# Altium PCB GameBoard_V1I1_Phase1.PcbDoc (part 18 of 18)
Units mm, origin at the board's own origin, x right, y up, seen from the top; angles counter-clockwise.
Board outline 182 x 70.2 mm, 12 copper layers (L1, L2, L3, L4, L5 (PWR), L6 (PWR), L7 (PWR), L8 (PWR), L9, L10, L11, L12), stack 2.079 mm thick; 1542 components, 1068 nets, 5447 pads, 3805 vias.
Unrouted connection lines stored in the file: 2.
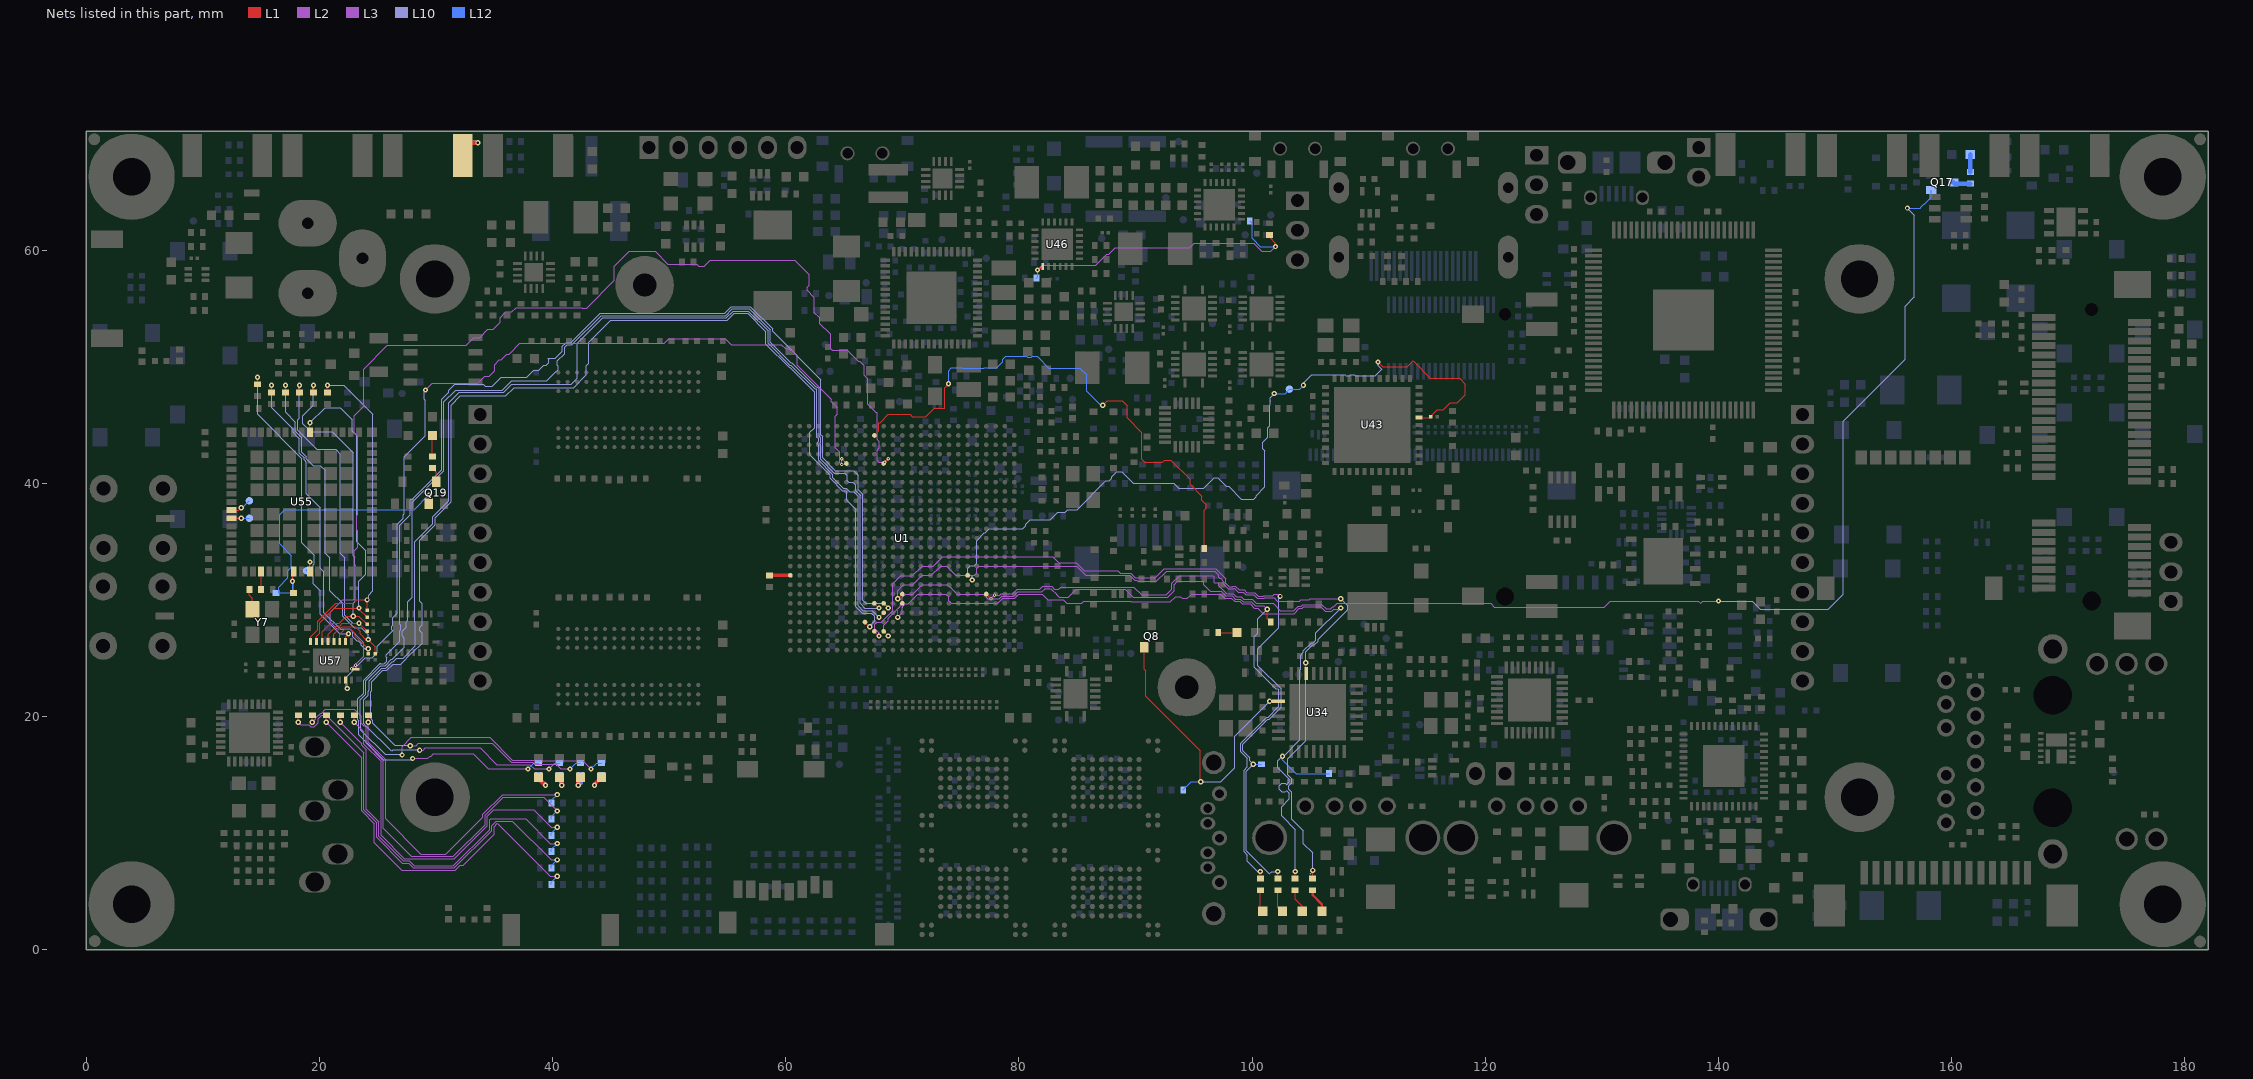
[diagram p28: the nets of this part, all layers, seen from the top]

## Via types
v1: diameter 0.45, hole 0.2, L1 to L12, 1937 vias
v2: diameter 0.45, hole 0.2, L1 to L12, tented both sides, 1004 vias
v3: diameter 0.27, hole 0.1, L1 to L2, 337 vias
v4: diameter 0.27, hole 0.1, L2 to L3, 335 vias
v5: diameter 0.27, hole 0.1, L10 to L11, 96 vias
v6: diameter 0.27, hole 0.1, L11 to L12, 94 vias
v7: diameter 0.27, hole 0.1, L3 to L5 (PWR), 2 vias

## Nets (pads, with @x,y where several pads share a name; then routed paths per layer and width w, separated by ;. In a path a pad name is that pad's centre, name@x,y a point inside that pad or via, vN(x,y) a via of type N, cw(c..) or ccw(c..) an arc to the next point about the centre after c; other vN are vias at no path point) (continued)
USER_BTN_3_R: R399.1 R401.2 SW12.2 | length 4.5
  L1 w0.4: SW12.2@32.3,68.1 32.3,69.2 v1(33.6,69.2)
  L12 w0.4: R401.2@32.8,67.9 R399.1@32.8,69.2 v1(33.6,69.2)
USER_LED: Q17.1 U1.D19 | length 118
  L1 w0.093: U1.D19@77.2,30.5 v3(77.6,30.1)
  L3 w0.1: v4(77.9,30.4) 78.341,30.4 78.466,30.525 79.486,30.525 79.861,30.9 81.797,30.9 82.065,31.168 82.802,31.168 82.845,31.125 82.853,31.125 83.046,30.932 83.402,30.932 83.57,31.1 89.85,31.1 90.525,30.425 92.625,30.425 93.126,30.926 93.126,31.407 93.802,32.083 96.626,32.083 96.744,31.966 96.744,31.487 96.775,31.455 97.145,31.455 97.146,31.454 97.146,31.205 97.805,30.546 98.375,30.546 98.653,30.268 99.083,30.268 99.305,30.046 99.993,30.046 100.342,29.696 101.81,29.696 102.43,29.077 103.564,29.077 103.962,29.475 104.214,29.475 104.336,29.596 105.99,29.596 106.361,29.225 106.755,29.225 106.929,29.399 106.999,29.399 107.3,29.7 120.456,29.7 120.781,29.375 130.219,29.375 130.737,29.893 138.263,29.893 138.459,29.696 138.663,29.9 v1(140,29.9)
  L10 w0.1: v1(140,29.9) 142.9,29.9 143.6,29.2 149.4,29.2 150.7,30.5 150.7,45.322 155.997,50.619 155.997,55.179 156.425,55.608 156.425,55.638 156.762,55.975 156.792,55.975 156.8,55.983 156.8,63 v1(156.2,63.6)
  L2 w0.1: v3(77.6,30.1) v4(77.9,30.4)
  L12 w0.1: v1(156.2,63.6) 157.3,63.6 157.4,63.7 157.4,63.705 157.62,63.925 157.625,63.925 158.25,64.55 Q17.1@158.25,65.15
USER_LED_1: R382.2 U1.N19 U34.30 | length 72.5
  L1 w0.093: v2(69.6,30.1) U1.N19@70,30.5 ; v1(104.6,24.6) 104.6,23.75 U34.30@104.65,23.7 ; R382.2@105.2,5.9 R382.2@105.2,6.1 v1(105.2,6.8)
  L3 w0.093: v2(69.6,30.1) 69.6,30.8 70.1,31.3 70.9,31.3 71.7,32.1 72.5,32.1 73.3,32.9 73.8,32.9 74.6,32.1 76.2,32.1 76.4,32.3 76.4,32.7 76.6,32.9 84.941,32.9 85.734,32.107 89.506,32.107 89.931,31.682 90.091,31.682 90.174,31.6 91.793,31.6 92.665,32.472 96.788,32.472 97.133,32.127 97.133,31.958 97.246,31.845 97.306,31.845 97.535,31.615 97.535,31.366 97.966,30.936 98.434,30.936 98.481,30.982 98.49,30.982 98.815,30.657 99.244,30.657 99.466,30.435 100.154,30.435 100.454,30.135 101.034,30.135 101.069,30.171 101.887,30.171 102.158,29.9 104.088,29.9 104.181,29.993 104.88,29.993 104.987,30.1 v1(107.6,30.1)
  L10 w0.093: 105,6.5 105.2,6.7 v1(105.2,6.8) 105.2,8.3 104.4,9.1 104.4,10.2 103.393,11.207 103.393,13.528 103.346,13.528 103.128,13.746 103.128,14.054 103.346,14.272 103.393,14.272 103.393,14.68 103.072,15.001 103.072,16.372 104.6,17.9 v1(104.6,24.6) 104.6,25.551 105.185,26.135 105.334,26.135 105.664,26.466 105.664,26.615 108.2,29.151 108.2,29.5 v1(107.6,30.1)
USER_LED_2: R285.2 R384.2 U1.N20 | length 76.6
  L1 w0.093: R384.2@103.7,5.9 R384.2@103.7,6.1 v1(103.7,6.7)
  L1 w0.1: v2(69.6,28.5) 69.6,29.3 U1.N20@70,29.7
  L3 w0.1: v2(69.6,28.5) 70,28.9 70,29.349 70.025,29.374 70.025,29.455 70.245,29.675 70.505,29.675 71.33,30.5 73.73,30.5 73.975,30.255 73.975,29.925 74.2,29.7 78.197,29.7 78.629,30.132 79.649,30.132 80.002,30.485 81.985,30.485 82.47,30 83.8,30 84.1,29.7 85.387,29.7 85.562,29.875 89.586,29.875 89.629,29.832 92.998,29.832 93.441,30.275 93.855,30.275 94.005,30.125 94.455,30.125 94.83,30.5 97.295,30.5 97.642,30.153 98.213,30.153 98.491,29.875 98.92,29.875 99.142,29.653 99.83,29.653 100.179,29.303 100.496,29.303 100.975,28.825 103.595,28.825 104.045,29.275 104.297,29.275 104.419,29.396 105.907,29.396 106.278,29.025 106.838,29.025 107.012,29.199 107.499,29.199 v1(107.6,29.3)
  L10 w0.093: v1(102.6,16.6) 102.2,16.2 102.2,15.6 103.2,14.6 103.2,14.398 102.964,14.162 102.854,14.272 102.546,14.272 102.328,14.054 102.328,13.746 102.546,13.528 102.854,13.528 102.964,13.638 103.2,13.402 103.2,12.925 102.528,12.254 102.528,11.472 103.7,10.3 v1(103.7,6.7) ; v1@102.65,16.55 104.1,18 104.1,24 104.172,24.072 104.172,25.272 104.407,25.507 104.407,25.631 105.105,26.328 105.254,26.328 105.471,26.546 105.471,27.171 v1(107.6,29.3)
  L12 w0.093: v1(102.6,16.6) 102.6,16.3 103.8,15.1 R285.2@106.6,15.1
USER_LED_3: R286.2 R385.2 U1.T23 | length 73.3
  L1 w0.093: U1.T23@67.6,27.3 v2(68,26.9) ; R385.2@102.2,5.9 R385.2@102.2,6.1 v1(102.2,6.7)
  L3 w0.093: v2(68,26.9) 68,27.175 67.629,27.546 67.629,27.929 67.8,28.1 68.2,28.1 69.171,29.071 69.171,29.771 69.2,29.8 69.2,31.4 69.871,32.071 70.871,32.071 71.7,32.9 72.675,32.9 73.475,33.7 82.9,33.7 83.4,33.2 84.914,33.2 85.621,32.493 88.478,32.493 88.671,32.3 89.586,32.3 89.986,31.9 91.7,31.9 92.465,32.665 96.868,32.665 97.728,31.805 97.728,31.446 98.046,31.129 98.354,31.129 98.401,31.175 98.57,31.175 98.895,30.85 99.324,30.85 99.546,30.628 100.234,30.628 100.534,30.328 100.954,30.328 100.989,30.364 101.754,30.364 101.89,30.5 102.2,30.5 v1(102.4,30.3)
  L10 w0.093: v1(102.2,6.7) 101.672,6.7 101.472,6.5 99.5,8.472 99.5,15.3 v1(100.1,15.9) 99.793,16.207 99.793,16.48 99.2,17.073 99.2,17.625 101.321,19.747 101.458,19.747 102.489,20.778 102.489,22.361 100.5,24.351 100.5,25.8 102.3,27.6 102.3,30.2 v1(102.4,30.3)
  L12 w0.093: v1(100.1,15.9) R286.2@100.8,15.9
USER_LED_4: R288.2 R386.2 U1.R23 | length 68.7
  L1 w0.093: U1.R23@68.4,27.3 v2(68.8,26.9) ; R386.2@100.7,5.9 v1(100.7,6.7) ; v1(101.3,29.2) 101.3,28.4 R288.2@101.6,28.1
  L3 w0.093: v2(68.8,26.9) 68.4,27.3 68.4,27.825 68.646,28.072 68.672,28.072 68.8,28.2 68.8,28.427 69.829,29.456 69.829,29.537 70,29.708 70,30.225 70.275,30.5 70.9,30.5 71.7,31.3 73.9,31.3 74.729,30.471 75.329,30.471 76.954,30.472 77.325,30.1 78.319,30.1 78.548,30.329 79.568,30.329 79.921,30.681 81.956,30.681 82.246,30.972 82.72,30.972 82.763,30.929 82.771,30.929 83.229,30.471 83.229,30.446 83.446,30.228 84.228,30.228 84.9,30.9 89.139,30.9 89.81,30.228 92.751,30.228 93.322,30.8 93.322,31.325 ; 93.351,31.325 93.351,31.354 93.597,31.6 95.833,31.6 95.833,31.296 96.394,30.736 97.337,30.736 97.723,30.35 98.294,30.35 98.572,30.071 99.001,30.071 99.223,29.85 99.911,29.85 100.261,29.5 101,29.5 v1(101.3,29.2)
  L10 w0.093: v1(100.7,6.7) 100.5,6.7 99.6,7.6 99.6,8.099 99.307,8.392 99.307,15.38 99.6,15.673 99.6,16.4 99.007,16.993 99.007,17.705 101.241,19.94 101.378,19.94 102.296,20.858 102.296,22.281 102.181,22.396 102.019,22.396 100.197,24.219 100.197,26.853 100.496,27.153 100.496,28.396 v1(101.3,29.2)
USER_LED_5: R387.2 U1.R20 | length 113.1
  L1 w0.093: U1.R20@68.4,29.7 v2(68.8,29.3)
  L3 w0.093: v1(28,16.4) 29.3,16.4 29.507,16.607 29.58,16.607 29.773,16.8 33.2,16.8 34.5,15.5 v1(37.9,15.5)
  L10 w0.093: v1(28,16.4) 27.9,16.3 25.5,16.3 23.372,18.428 23.372,19.654 23.3,19.725 23.3,21.5 23.8,22 23.8,23.124 25.225,24.549 25.246,24.529 25.554,24.529 25.772,24.746 25.772,25.054 25.751,25.075 25.751,25.297 26.9,26.446 26.9,27.375 26.972,27.446 26.972,27.825 26.9,27.897 26.9,36.4 27.792,37.292 27.792,38.565 27.856,38.629 27.954,38.629 30.5,41.175 30.5,47.222 31.096,47.819 31.096,47.996 31.6,48.5 34.075,48.5 34.246,48.328 34.828,48.328 35.6,49.1 37.8,49.1 38.4,49.7 38.8,49.7 39.229,50.129 39.454,50.129 39.672,50.346 39.672,50.654 39.6,50.725 40.225,50.725 40.836,51.336 40.836,51.734 41.166,52.064 41.564,52.064 44.083,54.582 54.759,54.582 55.334,55.157 56.966,55.157 58.868,53.256 58.868,53.048 63.018,48.897 63.018,44.153 63.157,44.014 63.157,43.452 63.158,42.17 64.263,41.065 65.834,41.065 66.2,40.698 66.2,39.446 66.589,39.056 66.589,39.011 66.6,39 66.6,29.95 66.85,29.7 68.4,29.7 v2(68.8,29.3)
  L12 w0.093: v1(37.9,15.5) 38.4,16 R387.2@38.8,16
USER_LED_6: R389.2 U1.R21 | length 113.3
  L1 w0.093: v2(68,28.5) U1.R21@68.4,28.9
  L3 w0.093: v1(28.6,17.1) 28.9,17.1 29.1,17.3 33.8,17.3 35.229,15.871 38.054,15.871 38.425,15.5 v1(39.7,15.5)
  L10 w0.093: v1(28.6,17.1) 26.3,17.1 26.2,17 24.072,19.128 24.046,19.128 23.8,19.375 23.8,21.454 24.186,21.84 24.186,22.186 24.3,22.3 24.3,23.078 25.365,24.143 25.714,24.143 26.268,24.696 26.342,24.696 26.646,25 27.2,25 28.247,26.047 28.247,28.089 28.2,28.136 28.2,35 29.729,36.529 29.729,37.137 30.063,37.471 30.071,37.471 31.114,38.514 31.114,46.914 32.007,47.807 35.807,47.807 36.5,48.5 41.6,48.5 42.1,49 42.1,52 44.297,54.197 54.919,54.197 55.494,54.772 56.806,54.772 58.482,53.096 58.482,52.02 60.366,50.136 60.445,50.136 62.48,48.1 62.6,48.1 62.632,48.068 62.632,43.994 62.771,43.854 62.771,43.546 62.645,43.419 62.772,43.293 62.772,42.01 64,40.781 64,40.508 64.934,39.575 65.2,39.575 65.489,39.286 65.814,39.286 66.203,38.897 66.203,29.497 66.628,29.072 67.437,29.072 67.772,28.737 67.772,28.729 v2(68,28.5)
  L12 w0.093: v1(39.7,15.5) 40.2,16 R389.2@40.6,16
USER_LED_7: R390.2 U1.U22 | length 114.3
  L1 w0.1: U1.U22@66.8,28.1 v2(67.2,27.7)
  L3 w0.093: v1(27.8,17.5) 28.3,17.5 28.5,17.7 34.827,17.7 36.463,16.064 38.3,16.064 38.465,15.9 40.3,15.9 40.7,15.5 v1(41.5,15.5)
  L10 w0.1: v1(27.8,17.5) 26.5,17.5 24.575,19.425 24.575,19.655 24.4,19.83 24.4,22.122 24.496,22.219 24.496,22.996 25.446,23.946 25.795,23.946 26.349,24.5 26.998,24.5 27.991,25.492 28.033,25.492 28.818,26.277 28.818,27.152 28.625,27.345 28.625,27.655 28.818,27.848 28.818,29.682 28.6,29.9 28.6,35.122 29.925,36.447 29.925,37.055 30.145,37.275 30.153,37.275 31.311,38.433 31.311,46.711 32.1,47.5 36,47.5 36.7,48.2 41.8,48.2 42.9,49.3 42.9,50.1 43.1,50.3 43.1,52.1 45,54 55,54 55.575,54.575 56.725,54.575 58.285,53.015 58.285,51.939 60.285,49.939 60.364,49.939 62.435,47.867 62.435,44.732 62.025,44.322 62.025,42.478 63.768,40.735 63.768,40.462 64.852,39.378 65.119,39.378 65.2,39.297 65.2,38.6 66.007,37.793 66.007,29.415 66.547,28.875 66.982,28.875 67.013,28.844 67.045,28.875 67.355,28.875 67.575,28.655 67.575,28.158 67.375,27.958 67.375,27.875 v2(67.2,27.7)
  L12 w0.093: v1(41.5,15.5) 42,16 R390.2@42.4,16
USER_LED_8: R391.2 U1.T20 | length 118.2
  L1 w0.093: U1.T20@67.6,29.7 v2(68,29.3)
  L3 w0.093: v1(27.1,16.7) 27.1,17.4 27.9,18.2 34.6,18.2 36.542,16.257 38.431,16.257 38.489,16.2 42.6,16.2 v1(43.3,15.5)
  L10 w0.093: v1(27.1,16.7) 25.7,16.7 23.565,18.835 23.565,19.734 23.5,19.798 23.5,21.427 23.993,21.92 23.993,23.044 25.285,24.336 25.634,24.336 26.188,24.889 26.262,24.889 27.293,25.92 27.293,26.726 27.1,26.919 27.1,27.302 27.454,27.655 27.454,28.089 27.6,28.236 27.6,29.822 27.985,30.207 27.985,38.387 30.693,41.095 30.693,46.993 31.7,48 35.7,48 36.5,48.8 39.5,48.8 40.228,49.529 40.254,49.529 40.471,49.746 40.471,50.054 40.4,50.125 40.4,50.5 41.029,51.129 41.029,51.654 41.246,51.871 41.644,51.871 44.162,54.39 54.839,54.39 55.414,54.965 56.886,54.965 58.675,53.176 58.675,52.1 60.446,50.328 60.525,50.328 62.56,48.293 62.68,48.293 62.825,48.148 62.825,44.073 62.964,43.934 62.964,43.466 62.918,43.419 62.965,43.372 62.965,42.09 64.183,40.872 65.055,40.872 65.227,40.7 65.227,40.401 65.229,40.4 65.229,40.243 65.4,40.072 65.754,40.072 65.972,39.854 65.972,39.401 66.396,38.976 66.396,38.931 66.4,38.927 66.4,29.7 66.8,29.3 v2(68,29.3)
  L12 w0.093: v1(43.3,15.5) 43.8,16 R391.2@44.2,16
USER_LED_CPU_D: D42.1 R413.1 | length 1.5
  L12 w0.4: R413.1@161.6,66.7 161.6,67.9 D42.1@161.6,68.2
USER_LED_CPU_Q: Q17.3 R413.2 | length 1.5
  L12 w0.4: Q17.3@160.15,65.8 160.25,65.7 R413.2@161.6,65.7
USER_LED_D_1: D33.1 R382.1 | length 2
  L1 w0.2: R382.1@105.2,4.9 105.2,4.678 106,3.878 D33.1@106,3.2
USER_LED_D_2: D34.1 R384.1 | length 1.9
  L1 w0.1: R384.1@103.7,4.9 103.7,4.324 104.3,3.724 D34.1@104.3,3.2
USER_LED_D_3: D35.1 R385.1 | length 1.9
  L1 w0.1: R385.1@102.2,4.9 102.2,3.6 D35.1@102.6,3.2
USER_LED_D_4: D36.1 R386.1 | length 1.8
  L1 w0.1: R386.1@100.7,4.9 100.7,3.4 D36.1@100.9,3.2
USER_LED_D_5: D37.1 R387.1 | length 2.1
  L1 w0.4: D37.1@38.8,14.8 38.8,14.7 v1(39.4,14.1)
  L12 w0.4: R387.1@38.8,15 38.8,14.7 v1(39.4,14.1)
USER_LED_D_6: D38.1 R389.1 | length 1.8
  L1 w0.4: D38.1@40.6,14.8 40.8,14.6 v1(40.8,14.1)
  L12 w0.1: R389.1@40.6,15 40.6,14.3 v1(40.8,14.1)
USER_LED_D_7: D39.1 R390.1 | length 1.8
  L1 w0.4: v1(42.2,14.1) 42.2,14.6 D39.1@42.4,14.8
  L12 w0.4: v1(42.2,14.1) 42.4,14.3 R390.1@42.4,15
USER_LED_D_8: D40.1 R391.1 | length 2.1
  L1 w0.3: v1(43.6,14.1) 43.6,14.2 D40.1@44.2,14.8
  L12 w0.1: v1(43.6,14.1) 44.2,14.7 R391.1@44.2,15
USER_LED_MCU: Q8.1 R273.1 U34.3 | length 26.5
  L1 w0.093: Q8.1@90.75,25.95 90.75,24.058 90.9,23.908 90.9,21.722 95.554,17.069 95.554,14.446 v1(95.6,14.4) ; v1(101.5,21.3) 102.25,21.3 U34.3@102.275,21.325
  L10 w0.093: v1(95.6,14.4) 97.3,14.4 98.5,15.6 98.5,18.3 v1(101.5,21.3)
  L12 w0.093: R273.1@94.1,13.7 94.8,14.4 v1(95.6,14.4)
USER_LED_MCU_D: D22.1 R270.1 | length 1.6
  L1 w0.1: R270.1@97.1,27.2 D22.1@98.7,27.2
VBUS2: R468.1 R469.1 R493.2 U46.1 | length 28
  L1 w0.1: v1(81.6,58.3) 81.75,58.3 U46.1@82.05,58.6 ; R468.1@101.5,61.1 102,60.6 v1(102,60.3)
  L3 w0.1: v1(81.6,58.3) 82,58.7 86.586,58.7 87.541,59.655 87.725,59.655 88.27,60.2 94.67,60.2 95.045,60.575 100.155,60.575 100.83,59.9 101.6,59.9 v1(102,60.3)
  L12 w0.1: R493.2@81.5,57.6 81.6,57.7 v1(81.6,58.3) ; R469.1@99.8,62.5 100,62.3 100,61 100.7,60.3 v1(102,60.3)
VPP/MCLR: R368.1 TP56.1 U1.F17 U43.18 | length 68.1
  L1 w0.093: U1.F17@75.6,32.1 v2(76,31.7) ; v1(110.8,50.4) 111.2,50 113.3,50 113.8,50.5 115.3,49 117.8,49 118.3,48.5 118.3,47.6 117.6,46.9 117,46.9 116.4,46.3 115.9,46.3 115.2,45.6 114.35,45.6 U43.18@114.3,45.65
  L10 w0.093: 75.845,32.929 76.154,32.929 76.372,33.146 76.372,35.072 77.043,35.743 77.114,35.743 77.471,36.1 80.325,36.1 80.572,36.346 80.572,36.468 80.975,36.872 82.694,36.872 83.351,37.529 83.954,37.529 84.172,37.746 84.985,37.746 87.468,40.228 87.754,40.228 87.972,40.446 87.972,40.572 88.4,41 88.8,41 89.8,40 93.3,40 93.729,39.571 95.846,39.571 96.746,40.472 97.054,40.472 97.797,39.728 97.98,39.728 99.08,38.628 100.085,38.628 100.129,38.629 100.347,38.846 100.347,38.947 101.1,39.7 101.1,42.8 100.929,42.971 100.929,43.529 101.329,43.929 101.329,44.757 101.504,44.932 101.504,46.678 101.572,46.746 101.572,47.054 101.539,47.086 101.539,47.339 v1(101.9,47.7) ; 75.845,32.929 75.629,32.713 75.629,32.346 76,31.975 v2(76,31.7) ; v1(104.4,48.4) 104.4,48.6 105.1,49.3 107.975,49.3 108.046,49.228 108.354,49.228 108.425,49.3 108.775,49.3 108.846,49.228 110.554,49.228 111.1,49.775 110.8,50.075 v1(110.8,50.4)
  L12 w0.093: v1(101.9,47.7) 102.825,47.7 TP56.1@103.2,48.075 104.075,48.075 v1(104.4,48.4)
WD_OUT: R94.1 U1.T2 | length 46.6
  L1 w0.1: U1.T2@67.6,44.1 68,44.5 68,45.2 68.1,45.2 68.807,45.907 70.663,45.907 70.845,45.725 72.025,45.725 72.72,46.42 73.62,46.42 73.625,46.425 73.625,48.201 v1(73.962,48.538) ; v1(87.2,46.7) 87.575,47.075 88.855,47.075 89.3,46.63 89.3,45.6 90.55,44.35 90.55,42.045 90.795,41.8 92.3,41.8 92.496,41.996 93.017,41.996 94.675,40.338 94.675,39.896 95.7,38.871 95.7,38.53 96.075,38.155 96.075,37.845 95.9,37.67 R94.1@95.9,34.4
  L12 w0.1: v1(73.962,48.538) 73.962,49.662 74.2,49.9 75.155,49.9 75.205,49.85 76.995,49.85 77.045,49.9 78.087,49.9 78.615,50.428 78.615,50.618 78.872,50.875 80.655,50.875 80.73,50.8 81.07,50.8 81.145,50.875 81.575,50.875 82.567,49.883 85.217,49.883 85.8,49.3 85.8,47.9 87,46.7 v1(87.2,46.7)
WIFI_CLK: R538.1 R572.2 R573.2 | length 35.9
  L1 w0.1: v1(19.4,19.5) R538.1@19.4,20.1
  L3 w0.093: v1(19.4,19.5) 19.707,19.807 19.707,19.88 20.12,20.293 20.193,20.293 20.5,20.6 23,20.6 23.6,20 23.6,19.4 23.807,19.193 23.982,19.193 24.007,19.168 24.007,17.707 25.493,16.221 25.493,10.407 27.893,8.007 31.507,8.007 34.214,10.714 34.214,11.516 35.77,13.072 39.228,13.072 v1(40.4,11.9)
  L12 w0.093: R572.2@39.9,11.2 39.9,11.4 v1(40.4,11.9)
WIFI_CMD: R540.1 R570.2 R571.2 | length 36.8
  L1 w0.1: v1(18.2,19.5) R540.1@18.2,20.1
  L3 w0.093: v1(18.2,19.5) 18.4,19.3 19.075,19.3 19.246,19.128 19.554,19.128 19.9,19.475 19.9,19.8 20.2,20.1 20.6,20.1 23.828,16.872 23.828,11.98 24.914,10.894 24.914,9.64 27.126,7.428 27.653,7.428 28.074,7.007 31.58,7.007 34.793,10.221 34.793,10.627 35.19,11.023 36.551,11.023 39.875,7.7 v1(40.4,7.7)
  L12 w0.093: R570.2@39.9,7 39.9,7.2 v1(40.4,7.7)
WIFI_DATA0: R537.1 R562.2 R563.2 | length 34.1
  L1 w0.1: v1(20.6,19.5) R537.1@20.6,20.1
  L3 w0.093: v1(20.6,19.5) 23.635,16.465 23.635,11.9 24.721,10.814 24.721,9.179 27.086,6.814 31.66,6.814 32.081,7.235 32.335,7.235 34.986,9.886 34.986,10.547 35.27,10.83 39.8,6.3 v1(40.4,6.3)
  L12 w0.093: R562.2@39.9,5.6 39.9,5.8 v1(40.4,6.3)
WIFI_DATA1: R536.1 R564.2 R565.2 | length 32
  L1 w0.1: v1(21.8,19.5) R536.1@21.8,20.1
  L3 w0.093: v1(21.8,19.5) 23.621,17.679 23.621,17.547 24.021,17.147 24.021,12.06 25.107,10.974 25.107,9.72 27.206,7.621 27.733,7.621 28.154,7.2 31.5,7.2 34.6,10.3 34.6,11.132 34.685,11.216 37.684,11.216 39.8,9.1 v1(40.4,9.1)
  L12 w0.093: R564.2@39.9,8.4 39.9,8.6 v1(40.4,9.1)
WIFI_DATA2: R535.1 R566.2 R567.2 | length 30.9
  L1 w0.1: v1(23,19.5) R535.1@23,20.1
  L3 w0.093: v1(23,19.5) 23.814,18.686 23.814,17.627 25.3,16.141 25.3,9.8 27.286,7.814 31.587,7.814 34.407,10.635 34.407,11.436 34.971,12 38.4,12 39.9,10.5 v1(40.4,10.5)
  L12 w0.093: R566.2@39.9,9.8 39.9,10 v1(40.4,10.5)
WIFI_DATA3: R533.1 R568.2 R569.2 | length 28.6
  L1 w0.1: v1(24.2,19.5) R533.1@24.2,20.1
  L3 w0.093: v1(24.2,19.5) 24.2,17.787 25.686,16.301 25.686,11.214 28.7,8.2 30.85,8.2 34.021,11.372 34.021,11.596 35.726,13.3 v1(40.4,13.3)
  L12 w0.093: R568.2@39.9,12.6 39.9,12.8 v1(40.4,13.3)
WIFI_EXT_32K_CLK: R83.2 R525.2 U55.36 | length 1.5
  L1 w0.1: R83.2@15,30.9 U55.36@15,32.425
WIFI_IRQ: U1.W5 U57.18 | length 76.4
  L1 w0.093: v3(64.8,42.1) U1.W5@65.2,41.7
  L1 w0.1: U57.18@22.25,23.15 22.25,22.55 v1(22.4,22.4)
  L3 w0.1: v1(29.1,48) 29.7,48.6 33.6,48.6 34.2,49.2 34.578,49.2 35.025,49.647 35.025,50.155 35.45,50.581 35.6,50.581 36.095,51.075 36.279,51.075 37.208,52.004 49.585,52.004 49.988,52.407 54.806,52.407 55.313,51.9 59.622,51.9 60,51.522 60.278,51.522 60.4,51.4 60.476,51.4 61,50.876 61,50.105 63.916,47.189 63.916,47.006 64.4,46.522 64.4,45.9 64.2,45.7 64.2,43.1 64.6,42.7 64.6,41.8 v4(64.8,41.6)
  L10 w0.1: v1(22.4,22.4) 22.4,23.47 23.955,25.025 24.521,25.025 24.975,25.479 24.975,26.045 26.3,27.37 26.225,27.445 26.225,27.755 26.3,27.83 26.3,28.456 26.704,28.859 26.704,36.481 27.207,36.985 27.207,37.3 27.3,37.393 27.3,42.283 29.1,44.083 29.1,47.117 29,47.217 29,47.9 v1(29.1,48)
  L2 w0.1: v4(64.8,41.6) v3(64.8,42.1)
WL_EN: Q19.1 R546.2 R553.1 R555.1 U55.40 | length 26.1
  L1 w0.1: R546.2@17.8,30.6 17.8,31.5 v1(17.7,31.6) 17.7,32.325 U55.40@17.8,32.425 ; Q19.1@29.385,38.252 29.4,38.266 v1(29.4,39)
  L12 w0.1: v1(17.7,31.6) 17.7,30.7 R553.1@17.8,30.6 16.5,30.6 16.5,31.1 17.3,31.9 17.3,32.5 17.6,32.8 17.6,33.8 16.6,34.8 16.6,37.3 17.025,37.725 28.125,37.725 v1(29.4,39)
WL_EN_D: Q19.3 R522.2 | length 1.3
  L1 w0.1: R522.2@29.7,41.3 30.035,40.965 Q19.3@30.035,40.151
WL_EN_LED: D55.1 R522.1 | length 1.8
  L1 w0.1: R522.1@29.7,42.3 D55.1@29.7,44.1
WL_IRQ: R523.2 U57.3 | length 27.1
  L1 w0.1: R523.2@14.7,48.5 v1(14.7,49.1) ; U57.3@22.25,26.45 22.25,26.85 v1(22.5,27.1)
  L10 w0.1: v1(14.7,49.1) 14.7,45.9 18.5,42.1 18.5,34.9 19.575,33.825 19.575,33.095 19.5,33.02 19.5,31.4 20.1,30.8 20.1,28.75 21.75,27.1 v1(22.5,27.1)
WL_RX: TP58.1 U55.26 | length 1.9
  L1 w0.1: U55.26@12.475,37.7 13.1,37.7 v1(13.3,37.9)
  L12 w0.1: v1(13.3,37.9) 13.4,37.9 TP58.1@14,38.5
WL_SDIO_CLK: R543.1 U55.8 U57.8 | length 29
  L1 w0.1: U55.8@19.2,44.375 v1(19.2,45.2) ; U57.8@19.75,26.45 19.75,26.85 20.05,27.15 20.05,28.05 21.3,29.3 v1(23.4,29.3) 23.4,29.2 R543.1@24.1,28.5
  L10 w0.1: v1(19.2,45.2) 20.5,46.5 21.8,46.5 22.838,45.462 22.838,44.462 23.2,44.1 23.2,35 24,34.2 24,32.2 23.4,31.6 v1(23.4,29.3)
WL_SDIO_CMD: R513.2 R545.1 U57.9 | length 29.5
  L1 w0.1: U57.9@19.25,26.45 19.25,26.85 19.85,27.45 19.85,28.15 21.4,29.7 22.9,29.7 23.2,30 v1(24.1,30) R545.1@24.1,29.1 ; R513.2@20.7,47.8 v1(20.7,48.4)
  L10 w0.1: v1(20.7,48.4) 22.1,48.4 24.6,45.9 24.6,30.783 24.224,30.407 24.224,30.124 v1(24.1,30)
WL_SDIO_D0: R518.2 R542.1 U57.7 | length 29.3
  L1 w0.1: R518.2@19.5,47.8 v1(19.5,48.4) ; U57.7@20.25,26.45 20.25,27.25 21,28 21.7,28 22.3,28.6 v1(22.9,28.6) 23.4,28.6 R542.1@24.1,27.9
  L10 w0.1: v1(19.5,48.4) 19.5,46.7 18.6,45.8 18.6,45.1 19.3,44.4 21.1,44.4 22.9,42.6 22.9,33.8 23.025,33.675 23.025,32.995 23.1,32.92 23.1,29.9 22.9,29.7 v1(22.9,28.6)
WL_SDIO_D1: R519.2 R541.1 U57.6 | length 29.1
  L1 w0.1: R519.2@18.3,47.8 v1(18.3,48.4) ; U57.6@20.75,26.45 20.75,27.05 21.5,27.8 21.783,27.8 21.983,28 v1(23.4,28) R541.1@24.1,27.3
  L10 w0.1: v1(18.3,48.4) 18.3,45.583 18.15,45.433 18.15,44.55 18.4,44.3 19.8,42.9 21.4,42.9 21.8,42.5 21.8,34 22.2,33.6 22.2,28.683 22.883,28 v1(23.4,28)
WL_SDIO_D2: R520.2 R539.1 U57.5 | length 32
  L1 w0.1: R520.2@17.1,47.8 v1(17.1,48.4) ; U57.5@21.25,26.45 21.25,27.05 21.8,27.6 21.866,27.6 21.966,27.7 23.1,27.7 23.5,27.3 23.5,27.1 24,26.6 24.1,26.7 v1(24.2,26.6) 24.8,26 R539.1@24.8,25.4
  L10 w0.1: v1(17.1,48.4) 17.1,46.1 17.95,45.25 17.95,44.467 18.2,44.217 18.5,43.917 18.5,42.666 18.9,42.266 18.9,42.1 19.5,41.5 20.1,41.5 20.5,41.1 20.5,34 20.9,33.6 20.9,30.8 22,29.7 22,28.6 23,27.6 23.6,27.6 24.2,27 v1(24.2,26.6)
WL_SDIO_D3: R43.1 R521.2 U57.4 | length 31.8
  L1 w0.1: R521.2@15.9,47.8 v1(15.9,48.4) ; U57.4@21.75,26.45 21.75,27.05 22.2,27.5 22.7,27.5 23.1,27.1 23.1,26.9 v1(24.2,25.8) R43.1@24.2,25.4
  L10 w0.1: v1(15.9,48.4) 15.9,46.5 17.75,44.65 17.75,44.384 18,44.134 18.3,43.834 18.3,42.583 18.7,42.183 18.7,42 18.9,41.8 18.9,39.1 20.1,37.9 20.1,32.7 20.4,32.4 20.4,28.9 21.825,27.475 22.655,27.475 22.875,27.255 22.875,26.825 23.225,26.475 23.355,26.475 23.575,26.255 23.575,26.125 23.9,25.8 v1(24.2,25.8)
WL_TX: TP57.1 U55.27 | length 1.5
  L1 w0.1: U55.27@12.475,37 v1(13.3,37)
  L12 w0.1: v1(13.3,37) TP57.1@14,37
WL_UART_DBG: TP60.1 U55.42 | length 1.7
  L1 w0.1: U55.42@19.2,32.425 v1(19.2,33.25)
  L12 w0.1: TP60.1@18.9,32.5 19.2,32.8 v1(19.2,33.25)
XTAL_32K_CLK: R83.1 Y7.3 | length 1.8
  L1 w0.1: R83.1@14,30.9 14,30.4 14.25,30.15 Y7.3@14.25,29.2
XTALOSC_REF_CLK_32K: U1.R5 U57.20 | length 96.7
  L1 w0.093: U1.R5@68.4,41.7 v3(68.8,42.1)
  L1 w0.1: v3(23.1,24.4) 23.15,24.35 U57.20@23.15,24.05
  L3 w0.1: v4(22.75,24.1) 23.8,25.15 23.8,26.33 22.655,27.475 21.525,27.475 20.925,28.075 20.925,28.925 22.025,30.025 22.925,30.025 23,30.1 23,34.2 23.3,34.5 23.3,35.917 23.225,35.992 23.225,37.238 23.3,37.313 23.3,44 23,44.3 23,45.8 23.8,46.6 23.8,49.786 25.839,51.825 32.612,51.825 33.262,52.475 33.741,52.475 34.466,53.2 34.9,53.2 35.5,53.8 35.5,54.2 36,54.7 36.514,54.7 36.88,55.066 42.504,55.066 42.545,55.025 42.925,55.025 45.3,57.4 45.3,58.6 46.6,59.9 48.8,59.9 49.9,58.8 52.37,58.8 52.545,58.625 53.017,58.625 53.517,59.125 60.758,59.125 61.975,57.908 61.975,56.945 61.8,56.77 61.8,56.583 62.421,55.962 62.421,54.675 62.875,54.221 62.875,53.738 63.8,52.813 63.8,51.6 64,51.4 65.283,51.4 66.208,50.475 66.338,50.475 66.675,50.138 66.675,49.325 67,49 67,46.816 67.716,46.1 67.815,46.1 67.815,43.799 67.956,43.658 68,43.614 68,43 67.8,42.8 67.8,42 68,41.8 v4(68.5,41.8)
  L2 w0.1: v4(22.75,24.1) 22.8,24.1 v3(23.1,24.4) ; v4(68.5,41.8) v3(68.8,42.1)
ZQPAD: R5.1 U1.AE17 | length 1.7
  L1 w0.3: R5.1@58.7,32.1 U1.AE17@60.4,32.1
pads on no net: A1.2 A2.2 CTP1. FID1.1 FID2.1 FID3.1 FID4.1 FID5.1 FID6.1 FID7.1 FID8.1 J2.3 J2.5 J2.7 J2.45 J2.47 J2.55 J2.56 J3.7 J3.8 J8. J14.8 J18.4 J20.0 LCD1.35 LCD2. SW1.0 SW2.0 SW3.0 U1.A9 U1.A10 U1.A11 U1.AA1 U1.AA2 U1.AA3 U1.AA4 U1.AA11 U1.AB1 U1.AB2 U1.AB17 U1.AD17 U1.B9 U1.B10 U1.B11 U1.C5 U1.C8 U1.D5 U1.E1 U1.E2 U1.E14 U1.E25 U1.F1 U1.F2 U1.F14 U1.G1 U1.G2 U1.G4 U1.H1 U1.H2 U1.H3 U1.H4 U1.H24 U1.J19 U1.J20 U1.L1 U1.L3 U1.L4 U1.L6 U1.M2 U1.M4 U1.M5 U1.M6 U1.N5 U1.N6 U1.P4 U1.P5 U1.P6 U1.P20 U1.V24 U1.W6 U1.W21 U1.W24 U1.Y1 U1.Y2 U1.Y3 U1.Y4 U2.J1 U2.J9 U2.L1 U2.L9 U3.J1 U3.J9 U3.L1 U3.L9 U4.J1 U4.J9 U4.L1 U4.L9 U5.J1 U5.J9 U5.L1 U5.L9 U14.43 U17.1 U18.18 U18.20 U20.8 U20.9 U20.11 U20.12 U20.17 U20.18 U20.19 U20.22 U20.28 U28.3 U28.4 U32.1 U42.40 U42.41 U42.42 U42.49 U42.50 U42.51 U42.52 U42.53 U42.54 U42.55 U42.56 U42.59 U42.60 U42.61 U42.62 U42.63 U42.64 U42.65 U42.66 U42.69 U42.70 U42.71 U42.72 U42.73 U42.74 U42.75 U42.77 U42.96 U43.1 U43.13 U43.25 U43.34 U43.35 U43.36 U43.44 U43.45 U44.33 U47.A1 U47.A2 U47.A9 U47.A10 U47.B1 U47.B9 U47.B10 U47.D6 U47.D7 U47.D8 U47.E3 U47.E4 U47.E5 U47.E6 U47.E7 U47.E8 U47.F3 U47.F4 U47.F5 U47.F6 U47.F8 U47.G3 U47.G6 U47.G7 U47.G8 U47.H3 U47.H5 U47.H6 U47.H7 U47.J3 U47.J5 U47.L1 U47.L2 U47.L9 U47.L10 U47.M1 U47.M2 U47.M9 U47.M10 U48.A1 U48.A2 U48.A9 U48.A10 U48.B1 U48.B9 U48.B10 U48.D6 U48.D7 U48.D8 U48.E3 U48.E4 U48.E5 U48.E6 U48.E7 U48.E8 U48.F3 U48.F4 U48.F5 U48.F6 U48.F8 U48.G3 U48.G6 U48.G7 U48.G8 U48.H3 U48.H5 U48.H6 U48.H7 U48.J3 U48.J5 U48.L1 U48.L2 U48.L9 U48.L10 U48.M1 U48.M2 U48.M9 U48.M10 U49.A1 U49.A2 U49.A9 U49.A10 U49.B1 U49.B9 U49.B10 U49.D6 U49.D7 U49.D8 U49.E3 U49.E4 U49.E5 U49.E6 U49.E7 U49.E8 U49.F3 U49.F4 U49.F5 U49.F6 U49.F8 U49.G3 U49.G6 U49.G7 U49.G8 U49.H3 U49.H5 U49.H6 U49.H7 U49.J3 U49.J5 U49.L1 U49.L2 U49.L9 U49.L10 U49.M1 U49.M2 U49.M9 U49.M10 U50.A1 U50.A2 U50.A9 U50.A10 U50.B1 U50.B9 U50.B10 U50.D6 U50.D7 U50.D8 U50.E3 U50.E4 U50.E5 U50.E6 U50.E7 U50.E8 U50.F3 U50.F4 U50.F5 U50.F6 U50.F8 U50.G3 U50.G6 U50.G7 U50.G8 U50.H3 U50.H5 U50.H6 U50.H7 U50.J3 U50.J5 U50.L1 U50.L2 U50.L9 U50.L10 U50.M1 U50.M2 U50.M9 U50.M10 U52.1 U54.6 U55.2 U55.3 U55.4 U55.5 U55.21 U55.22 U55.25 U55.62
copper on no net: | length 3.3
  L1 w0.1: v1(21.3,43.55) 21.3,44.375 ; 22,44.375 v1(22,45.2) ; v1(22.7,43.55) 22.7,44.375 ; 23.4,44.375 v1(23.4,45.2)

## Polygon pours and split planes (outlines as drawn)
+1V5_DDR on L1 "L1-+1V5_DDR" (solid, pour order 724): 69.4,62 69.5,61.9 72,61.9 72.1,62 72.1,63.3 71.5,63.9 67.5,63.9 67.3,63.7 67.3,63.4 67.5,63.2 67.5,62.1 67.7,61.9
+1V375_CORE on L1 "L1" (solid, remove dead copper, pour order 708): 73.4,46.7 73.3,46.6 70,46.6 70,47.4 69.8,47.6 66.8,47.6 66.8,48.3 67.55,48.3 67.8,48.55 68.25,49 71.4,49 72.2,48.2 73.4,48.2
GND on L1 "L1-GND" (solid, pour order 702): 81.9,57.6 82.8,57.6 83.2,57.2 83.2,55.2 82.8,54.8 82.8,53.9 81.9,53.9
+VIN_5V on L1 "L1-+VIN_5V" (solid, pour order 700): 57.2,63.4 57.2,59.7 60.6,59.7 60.6,63.4
+VIN_4V2 on L1 "L1-+VIN_4V2" (solid, pour order 698): 60.6,54 60.6,57.7 57.2,57.7 57.2,54
+3V3_HDR on L1 "L1-+3V3_HDR" (solid, pour order 696): 50.8,63.4 48.9,63.4 48.9,64.7 50.8,64.7
+3V3 on L1 "L1-+3V3 1" (solid, pour order 694): 50.8,65.5 48.9,65.5 48.9,66.8 50.8,66.8
+5V_FTDI on L1 "L1-+5V_FTDI" (solid, pour order 692): 53.7,66.7 53.7,63.4 52.4,63.4 52.4,66.7
+3V3 on L1 "L1-+3V3" (solid, pour order 690): 81.3,53.6 80.6,53.6 80.1,54.1 80.1,57.5 79.8,57.8 77.6,57.8 77.6,59.1 79.9,59.1 81.3,57.7
GND on L1 "L1" (solid, remove dead copper, pour order 688): 18 vertices, not listed, extent 66.8,49 70.8,50.6
GND on L1 "L1" (solid, remove dead copper, pour order 686): 81.9,49.3 81.9,50.4 81.8,50.5 81.8,53.1 82.6,53.1 83.1,52.6 83.1,52.4 83.1,51.2 83.1,49.7 82.7,49.3
+1V5_DDR on L1 "L1" (solid, remove dead copper, pour order 684): 71.9,62 70.4,62 70.2,62.2 70.1,62.3 70.1,62.5 69.9,62.7 67.5,62.7 67.5,65.1 69.9,65.1 69.9,64.7 70.4,64.2 71.4,63.2 71.9,63.2
SW3LX on L1 "L1" (solid, remove dead copper, pour order 682): 74.6,62 74.6,63.2 73.1,63.2 73.1,62 72.8,61.7 72.1,61 72.1,59.9 72.1,59.8 72.9,59.8 72.9,60.3 73.1,60.5 74.6,62
+1V375_SOC on L1 "L1" (solid, remove dead copper, pour order 680): 78.2,47 78.2,50.6 77.4,50.6 77.1,50.3 77.1,50.1 77.1,49.1 76.7,48.7 74.7,48.7 74.7,47.4 76.5,47.4 76.8,47.1 76.9,47
SW1CLX on L1 "L1" (solid, remove dead copper, pour order 678): 74.1,52 74.1,50.7 74.4,50.4 74.4,49.7 74.6,49.5 76.7,49.5 76.7,50.8 75.1,50.8 74.5,51.4 74.4,51.5 74.4,52
SW1LX on L1 "L1" (solid, remove dead copper, pour order 676): 72.6,51.9 73.4,51.9 73.4,49.4 72.2,49.4 72.2,50.9 72.6,51.3 72.6,51.4
GND on L1 "L1" (solid, remove dead copper, pour order 674): 66,50.6 66,52.8 66.2,53 67.3,53 67.4,53 67.5,52.9 67.5,51.2 67.5,51.1 67,50.6
+5V on L1 "L1" (solid, remove dead copper, pour order 672): 65.4,50.7 64.7,50.7 64,51.4 63.3,51.4 63.3,53.1 63,53.4 62.9,53.5 62.9,55.1 64.2,55.1 64.2,53.9 64.4,53.7 64.6,53.5 65,53.5 65.4,53.1
SWBSTLX on L1 "L1" (solid, remove dead copper, pour order 668): 68.55,57.8 68.55,57.5 67.65,57.5 67.25,57.1 67.15,57 67.15,53.8 65.85,53.8 65.85,55 65.35,55.5 64.05,55.5 64.05,57.5 66.35,57.5 66.65,57.8
+0V75_DDR_VTT on L1 "L1" (solid, remove dead copper, pour order 666): 77.6,51.928 77.6,53.228 80.2,53.228 80.3,53.128 81.2,53.128 81.2,50.728 81.3,50.628 81.3,49.328 80.5,49.328 80.4,49.328 80.4,50.128 80.2,50.328 80.2,51.328 79.6,51.928
SW4LX on L1 "L1" (solid, remove dead copper, pour order 664): 76.6,55.5 76.6,55.8 77.3,55.8 77.6,55.5 77.8,55.3 78.1,55.3 79.8,55.3 79.8,54 77.6,54 77.6,54.9 77.1,55.4 77,55.5 76.6,55.5
SW2LX on L1 "L1" (solid, remove dead copper, pour order 636): 76.45,56 76.45,56.3 77.35,56.3 77.65,56.6 77.65,57 79.75,57 79.75,55.7 77.65,55.7 77.35,56
no net on L1 "L1" (solid, remove dead copper, pour order 632): 76.45,56 76.45,56.3 77.35,56.3 77.65,56.6 77.65,57 79.75,57 79.75,55.7 77.65,55.7 77.35,56
no net on L1 "L1" (solid, remove dead copper, pour order 630): 76.5,55.8 76.5,55.5 75.6,55.5 75.3,55.2 75.3,54.8 73.2,54.8 73.2,56.1 75.3,56.1 75.6,55.8
GND on L1 "L1" (solid, pour order 454): 20 vertices, not listed, extent 66.6,31.1 69.409,32.3
+VDDPU on L1 "L1" (solid, pour order 452): 39 vertices, not listed, extent 69,31.6 74.2,32.3
GND on L1 "L1" (solid, pour order 450): 39 vertices, not listed, extent 69,30.8 74.2,31.5
+1V375_SOC on L1 "L1" (solid, pour order 448): 47 vertices, not listed, extent 66.6,32.4 74.2,33.1
GND on L1 "L1" (solid, pour order 446): 48 vertices, not listed, extent 66.6,33.2 74.2,33.9
+1V375_CORE on L1 "L1" (solid, pour order 444): 34 vertices, not listed, extent 68.2,34 74.2,34.7
+1V2_VDD_ARM_CAP on L1 "L1" (solid, pour order 442): 30 vertices, not listed, extent 68.2,35 74.2,35.8
GND on L1 "L1" (solid, pour order 440): 28 vertices, not listed, extent 70.6,35.6 74.2,36.6
+1V5_DDR on L1 "L1" (solid, pour order 438): 40 vertices, not listed, extent 65.5,30.8 69,39
+1V2_VDD_ARM_CAP on L1 "L1" (solid, pour order 436): 41 vertices, not listed, extent 68.2,36.7 74.2,37.4
GND on L1 "L1" (solid, pour order 434): 26 vertices, not listed, extent 68.6,37.5 72.6,38.2
+1V375_CORE on L1 "L1" (solid, pour order 432): 41 vertices, not listed, extent 66.6,38.3 72.6,39
GND on L1 "L1" (solid, pour order 430): 50 vertices, not listed, extent 65.8,38.8 74.2,39.8
GND on L1 "L1" (solid, pour order 428): 22 vertices, not listed, extent 66.6,35.6 69.4,36.6
+1V1_VDDSOC_CAP on L1 "L1" (solid, pour order 426): 68.4,38 67.6,38 67.4,38.2 67,38.2 66.6,37.8 66.6,37.6 66.7,37.5 66.9,37.5 67.1,37.7 67.3,37.7 67.5,37.5 68.5,37.5 68.6,37.6 68.6,37.8
GND on L1 "L1" (solid, pour order 424): 32 vertices, not listed, extent 64.7,35.1 65.8,40.3
GND on L1 "L1" (solid, pour order 422): 37 vertices, not listed, extent 64.7,30 67.8,33.9
+1V1_VDDSOC_CAP on L1 "L1" (solid, pour order 420): 20 vertices, not listed, extent 66.6,34 67.8,35.8
GND on L1 "L1" (solid, pour order 418): 25 vertices, not listed, extent 75,38.7 77.4,40.7
+1V5_DDR on L12 "L12-+1V5_DDR" (solid, pour order 726): 70.4,63.7 70.4,62.5 67.9,62.5 67.8,62.6 67.8,63.2 67.5,63.5 67.5,64.7 67.7,64.9 68.8,64.9 69.2,64.5 69.2,63.9 69.3,63.8 70.3,63.8
+VIN_5V on L12 "L12-+VIN_5V" (solid, pour order 722): 65,61.1 66.7,62.8 66.7,65 63.8,65 63.8,61.1
GND on L12 "L12-GND" (solid, pour order 720): 42.3,69.9 42.5,69.7 42.5,66.2 42.4,66.1 40.8,66.1 40.8,69.9
+BAT on L12 "L12-+BAT" (solid, pour order 718): 44.3,69.9 44.5,69.7 44.5,66.2 44.4,66.1 42.8,66.1 42.8,69.9
no net on L12 "L12-No Net" (solid, pour order 716): 44.7,66.2
+VIN_4V2 on L12 "L10" (solid, remove dead copper, pour order 660): 68.7,57.8 67.8,57.8 67.6,58 67.6,58.2 67.6,58.8 68.1,59.3 68.2,59.4 68.7,59.4
+VIN_4V2 on L12 "L10" (solid, remove dead copper, pour order 658): 76.45,57.45 76.35,57.55 75.55,57.55 75.4,57.4 75.4,57.35 75.4,57.1 75.35,57.05 74.95,56.65 74.75,56.65 74.75,55.05 75.65,55.05 76.45,55.85
GND on L12 "L10" (solid, remove dead copper, pour order 656): 76.5,51.6 76,51.6 75.8,51.8 75.6,51.8 74.9,51.8 74.9,52.4 75.1,52.6 75.4,52.9 75.85,53.35 76.4,53.35 76.4,52.7 76.5,52.6
+VIN_4V2 on L12 "L10" (solid, remove dead copper, pour order 654): 74.7,53.6 71,53.6 71,53.1 71.3,53.1 71.4,53 71.9,52.5 72.3,52.5 72.8,52.5 72.9,52.4 72.9,51.8 74.5,51.8 74.5,52.3 74.8,52.6 74.8,53.5
+VIN_4V2 on L12 "L10" (solid, remove dead copper, pour order 652): 27 vertices, not listed, extent 70,55.95 73.55,60.05
GND on L12 "L10" (solid, remove dead copper, pour order 650): 51 vertices, not listed, extent 68.25,53.65 75.85,60.05
+3V3 on L12 "L10" (solid, remove dead copper, pour order 644): 74.5,34.2 74.5,32.3 79.7,32.3 79.7,34.2
+SATA_VPH on L12 "L10" (solid, remove dead copper, pour order 642): 74.9,37.082 78.4,37.127 78.4,36.1 75.5,36.1 75.3,35.9 74.9,35.9
GND on L12 "L10" (solid, remove dead copper, pour order 506): 80.4,40.9 79.5,40.9 79.5,41.6 79.2,41.9 79.1,42 79.1,42.2 79.2,42.3 80.1,42.3 80.4,42 80.4,41.8 80.4,40.9
+1V375_CORE on L12 "Power plane" (solid, pour order 502): 21 vertices, not listed, extent 67,38.3 72.2,39
GND on L12 "Power plane" (solid, pour order 500): 23 vertices, not listed, extent 70.3,37.5 73.3,39.1
+1V2_VDD_ARM_CAP on L12 "Power plane" (solid, pour order 498): 29 vertices, not listed, extent 68.2,37 73.8,37.75
GND on L12 "Power plane" (solid, pour order 496): 21 vertices, not listed, extent 71.1,35.6 74.3,37
GND on L12 "Power plane" (solid, pour order 494): 27 vertices, not listed, extent 67.8,34.4 71.5,36.6
GND on L12 "Power plane" (solid, pour order 492): 68.8,36.5 67.4,36.5 66.5,36.5 66.5,36.6 66.5,37.5 67.1,37.5 67.9,37.5 67.9,37.1 68.1,36.9 68.4,36.9 68.6,36.9 68.8,36.7
+1V1_VDDSOC_CAP on L12 "Power plane" (solid, pour order 490): 19 vertices, not listed, extent 66.5,33.6 67.9,36.3
+1V375_CORE on L12 "Power plane" (solid, pour order 488): 23 vertices, not listed, extent 70.2,33.6 74.3,35.3
+1V2_VDD_ARM_CAP on L12 "Power plane" (solid, pour order 486): 73.8,35.7 73.8,35.6 73.7,35.5 73.6,35.5 73,35.5 72.9,35.4 72.9,34.5 72.7,34.5 72.1,34.5 72.1,35.3 71.9,35.5 71.9,35.8 72,35.9 72.3,36.2 73.3,36.2
GND on L12 "Power plane" (solid, pour order 484): 31 vertices, not listed, extent 70.2,32.4 75.3,33.5
GND on L12 "Power plane" (solid, pour order 482): 17 vertices, not listed, extent 64.6,32.9 68.9,33.5
+1V375_SOC on L12 "Power plane" (solid, pour order 480): 45 vertices, not listed, extent 66.5,31.7 74.4,33.2
+VDDPU on L12 "Power plane" (solid, pour order 478): 30 vertices, not listed, extent 69.2,31 74.3,32.4
GND on L12 "Power plane" (solid, pour order 476): 40 vertices, not listed, extent 69.2,29.9 75.4,31.2
GND on L12 "Power plane" (solid, pour order 474): 26 vertices, not listed, extent 63.9,34.5 65.5,38
GND on L12 "L10" (solid, remove dead copper, pour order 472): 74.7,35.3 74.7,34.5 75.7,34.5 76,34.2 76.3,34.2 76.3,35.6 75.9,35.6 75.8,35.6 75.5,35.3 74.7,35.3
GND on L12 "L10" (solid, remove dead copper, pour order 470): 67,30.3 67,30.1 66.8,29.9 66.5,29.9 65.95,29.35 65.95,27.3 66.75,27.3 66.75,29.35 67.4,30 67.4,30.2 67.3,30.3
+1V5_DDR on L12 "L10" (solid, remove dead copper, pour order 468): 21 vertices, not listed, extent 66,30 68.95,31.55
GND on L12 "L10" (solid, remove dead copper, pour order 466): 27 vertices, not listed, extent 64.9,30.5 68.9,32.2
+1V5_DDR on L12 "L10" (solid, remove dead copper, pour order 464): 65.25,31 65.75,31.5 65.75,31.9 65.75,32.2 65.95,32.4 66.25,32.4 66.25,32.75 65.55,32.75 65.4,32.6 65.1,32.3 65.1,31.8 65.1,31.5 64.95,31.35 64.95,31
+1V5_DDR on L12 "L10" (solid, remove dead copper, pour order 462): 28 vertices, not listed, extent 64.9,33.4 66.3,39.6
GND on L12 "Power plane" (solid, pour order 460): 46 vertices, not listed, extent 67,38.8 74.3,41.2
GND on L12 "L10" (solid, remove dead copper, pour order 458): 22 vertices, not listed, extent 74.5,37.6 75.9,39.6
GND on L12 "L10" (solid, remove dead copper, pour order 456): 77,39.7 77,40.6 76.7,40.9 76.1,40.9 76.1,39.8 76.5,39.8 76.7,39.6 76.9,39.6
+3V3_FLASH on L5 (PWR) "L5 (PWR)-No Net" (solid, pour order 714): 71.5,21.5 90.566,21.5 91.9,20.166 91.9,0 69.3,0 69.3,18.913 70.6,20.213
+DDR_VREF on L5 (PWR) "L5 (PWR)-+DDR_VREF" (solid, pour order 516): 65.744,20.087 61.944,20.087 61.944,16.012 65.744,16.012
SYS2 on L8 (PWR) "L8 (PWR)-SYS2" (solid, pour order 710): 0.2,70.1
+3V3 on L6 (PWR) "L6 (PWR)-No Net" (solid, shelved, pour order 712): 0,0 182,0 182,70.2 0,70.2
+1V5_DDR on L7 (PWR) (solid, pour order 730): 56.9,52.293 56.9,18.1 35.9,18.1 35.6,18.4 37.2,20 37.2,52.2
GND on L4 (split plane): 181.49,0.51 0.51,0.51 0.51,69.69 181.49,69.69
GND on L9 (split plane): 181.49,0.51 0.51,0.51 0.51,69.69 181.49,69.69

## Other copper
L1:
  pour cut-out: 4.5,51.254 -0.2,51.254 -0.2,62.2 5.6,62.2 5.6,51.7 4.5,51.7
  pour cut-out: 34.9,0 34.9,4.4 46.2,4.4 46.2,0
  text "GameBoard" at 24.1,7 h1.52
  text "(c) Matthew Beach 2018" at 24.3,5.7 h0.6
L12:
  text "GameBoard" at 110.8,32 h1.52

## Silkscreen, mask and mechanical layers (free items; w line width, h text height)
Top Solder:
  text "GameBoard" at 149.3,49.2 h1.52
  text "(c) Matthew Beach 2018" at 149.6,47.3 h0.6

## Text inside footprints (layer, text, board x,y; h text height)
J1: 3D Bodies "NOTE: Bottom plastic may" at 120.4,75.4 h0.5; 3D Bodies "go over the board edge" at 120.4,74.5 h0.5
J2: Top Overlay "1" at 177.9,30.2 h1.02 r180
J11: Top Overlay "KEEP OUT" at 63.575,11.975 h1 r180
J12: Top Overlay "1" at 148.02,48.1 h1.02; Bottom Overlay "1" at 149.32,45.5 h1.02
J13: Bottom Overlay "1" at 102,65.84 h1.02 r180
J14: Top Overlay "1" at 34.62,48.1 h1.02; Bottom Overlay "1" at 35.92,45.5 h1.02
J16: Bottom Overlay "1" at 48.68,70.94 h1.02 r90
J19: Top Overlay "1" at 154.9,8 h1.02 r90
J22: Bottom Overlay "1" at 122.5,69.74 h1.02 r180
JP2: Bottom Overlay "1" at 123.3,17 h1.02 r90
JP3: Bottom Overlay "1" at 136.4,70.4 h1.02 r180
Q11: Top Overlay "1" at 29.1,52.7 h1.02 r270
U19: Bottom Overlay "1" at 130.9,27.2 h1.02
U26: Bottom Overlay "1" at 137.1,24.6 h1.02 r270